# KiCad board IotThermalCamera.kicad_pcb (continued)
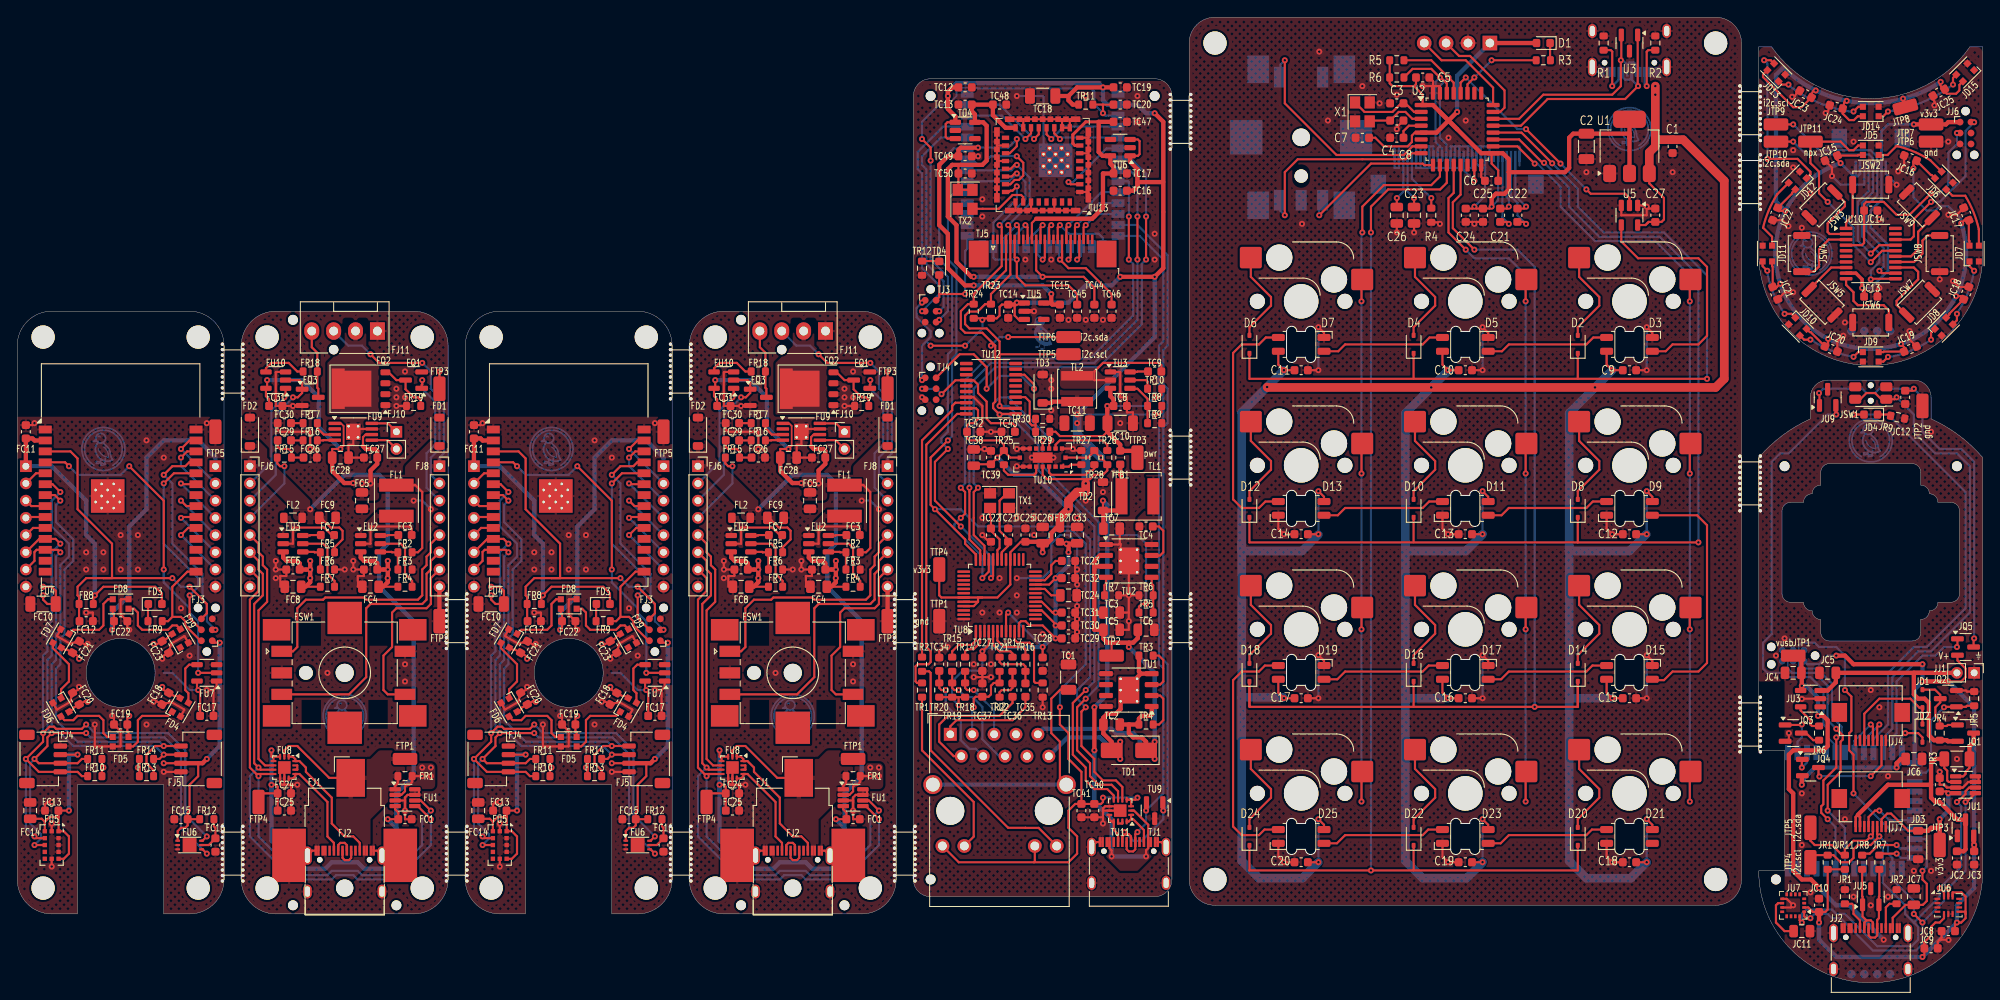
[diagram p0: board, top side]
## Placement (name value [footprint] x y rotation side) (continued)
JD13  btns.npx_js.led[0].device  [LED_WS2812B-2020_PLCC4_2.0x2.0mm]  204.14 105.74 135 top
JD14  btns.npx_js.led[1].device  [LED_WS2812B-2020_PLCC4_2.0x2.0mm]  215.1 101.2 180 top
JD15  btns.npx_js.led[2].device  [LED_WS2812B-2020_PLCC4_2.0x2.0mm]  226.06 105.74 225 top
JH1  jlc_th.th1  [JlcToolingHole_1.152mm]  205.1 60 0 top
JH2  jlc_th.th2  [JlcToolingHole_1.152mm]  225.1 60 0 top
JH3  jlc_th.th3  [JlcToolingHole_1.152mm]  204.1 12 0 top
JJ1  bat  [PinHeader_1x02_P2.00mm_Vertical]  227.1 36 270 top
JJ2  usb.conn  [USB_C_Receptacle_XKB_U262-16XN-4BVC11]  215.1 2.68 0 top
JJ3  mcu.swd  [Tag-Connect_TC2030-IDC-NL_2x03_P1.27mm_Vertical]  206.1 38 180 bottom
JJ4  stick  [Hirose_FH12-8S-0.5SH_1x08-1MP_P0.50mm_Horizontal]  215.1 30 180 top
JJ6  btns.ioe.sdi  [Tag-Connect_TC2030-IDC-NL_2x03_P1.27mm_Vertical]  226.1 98.7 270 top
JJ7  btns  [Hirose_FH12-8S-0.5SH_1x08-1MP_P0.50mm_Horizontal]  215.1 20 180 top
JJ8  btns.conn  [Hirose_FH12-8S-0.5SH_1x08-1MP_P0.50mm_Horizontal]  215.1 96.7 0 bottom
JQ1  gate.pwr_fet  [SOT-23]  226.1 29 0 top
JQ2  gate.amp_fet  [SOT-23]  224.1 33 180 top
JQ3  chg.prog_sw  [SOT-23]  206.1 29 0 top
JQ4  stick_gate  [SOT-23]  208.1 25 0 top
JQ5  trig_gate  [SOT-23]  226.1 39 0 top
JR1  usb.cc_pull.cc1  [R_0603_1608Metric]  212.1 10 270 top
JR2  usb.cc_pull.cc2  [R_0603_1608Metric]  218.1 10 270 top
JR3  vbat_sense.Rs  [R_1206_3216Metric]  225.1 26 180 top
JR4  gate.pull_res  [R_0603_1608Metric]  223.1 29 90 top
JR5  gate.amp_res  [R_0603_1608Metric]  227.1 33 270 top
JR6  chg.prog_res  [R_0603_1608Metric]  209.1 29 90 top
JR7  mcu.usb_res.dp  [R_0603_1608Metric]  216.1 14 90 top
JR8  mcu.usb_res.dm  [R_0603_1608Metric]  214.1 14 90 top
JR9  ledr.res  [R_0603_1608Metric]  218.22 65.69 348.8 top
JR10  i2c_pull.scl_res  [R_0603_1608Metric]  210.1 14 90 top
JR11  i2c_pull.sda_res  [R_0603_1608Metric]  212.1 14 90 top
JSW1  bumper_sw  [SW_SPST_EVQP7C]  215.1 68.5 180 top
JSW2  btns.sw[0]  [SW_Push_SPST_NO_Alps_SKRK]  215.1 92.7 0 top
JSW3  btns.sw[1]  [SW_Push_SPST_NO_Alps_SKRK]  209.44 90.36 225 top
JSW4  btns.sw[2]  [SW_Push_SPST_NO_Alps_SKRK]  207.1 84.7 90 top
JSW5  btns.sw[3]  [SW_Push_SPST_NO_Alps_SKRK]  209.44 79.04 315 top
JSW6  btns.sw[4]  [SW_Push_SPST_NO_Alps_SKRK]  215.1 76.7 180 top
JSW7  btns.sw[5]  [SW_Push_SPST_NO_Alps_SKRK]  220.76 79.04 45 top
JSW8  btns.sw[6]  [SW_Push_SPST_NO_Alps_SKRK]  223.1 84.7 270 top
JSW9  btns.sw[7]  [SW_Push_SPST_NO_Alps_SKRK]  220.76 90.36 135 top
JTP1  vusb  [TestPoint_TE_RCT_0805]  206.1 38 180 top
JTP2  gnd  [TestPoint_TE_RCT_0805]  221.1 67 90 top
JTP3  v3v3  [TestPoint_TE_RCT_0805]  223.1 16 270 top
JTP4  i2c.scl  [TestPoint_TE_RCT_0805]  208.1 14 90 top
JTP5  i2c.sda  [TestPoint_TE_RCT_0805]  208.1 18 90 top
JTP6  gnd  [TestPoint_TE_RCT_0805]  222.1 97.7 0 top
JTP7  v3v3  [TestPoint_TE_RCT_0805]  222.1 99.7 0 top
JTP8  vbat  [TestPoint_TE_RCT_0805]  219.11 101.73 195 top
JTP9  i2c.scl  [TestPoint_TE_RCT_0805]  204.1 99.7 0 top
JTP10  i2c.sda  [TestPoint_TE_RCT_0805]  204.1 97.7 0 top
JTP11  npx  [TestPoint_TE_RCT_0805]  208.1 97.7 0 top
JU1  vbat_sense.ic  [SOT-23-8]  226.1 23 0 top
JU2  reg_3v3.ic  [SOT-23]  226.1 18 90 top
JU3  chg.ic  [SOT-23-5]  208.1 33 180 top
JU4  mcu.ic  [Holyiot-18010-NRF52840]  212.1 20 270 bottom
JU5  usb_esd  [SOT-23]  215.1 10 90 top
JU6  imu.ic  [Bosch_LGA-14_3x2.5mm_P0.5mm]  224.1 9 0 top
JU7  mag.ic  [LGA-16_3x3mm_P0.5mm]  206.1 9 180 top
JU9  trig.ic  [SOT-23]  210.1 68 90 top
JU10  btns.ioe.ic  [TSSOP-20_4.4x6.5mm_P0.65mm]  215.1 84.7 0 top
R1  usb.cc_pull.cc1  [R_0603_1608Metric]  184.1 109.15 270 top
R2  usb.cc_pull.cc2  [R_0603_1608Metric]  190.1 109.15 270 top
R3  ledr.res  [R_0603_1608Metric]  177.1 107.15 180 top
R4  oled.iref_res  [R_0603_1608Metric]  164.1 89.15 90 top
R5  i2c_pull.scl_res  [R_0603_1608Metric]  160.1 107.15 0 top
R6  i2c_pull.sda_res  [R_0603_1608Metric]  160.1 105.15 0 top
REF**  MouseBites  [MouseBites_Recessed]  201.1 93 90 top
REF**#2  MouseBites  [MouseBites_Recessed]  201.1 58 90 top
REF**#3  MouseBites  [MouseBites_Recessed]  51 42 270 top
REF**#4  MouseBites  [MouseBites_Recessed]  77 71 90 top
REF**#5  MouseBites  [MouseBites_Recessed]  25 15 90 top
REF**#6  MouseBites  [MouseBites_Recessed]  135 42 90 top
REF**#7  MouseBites  [MouseBites_Recessed]  135 100 90 top
REF**#8  MouseBites  [MouseBites_Recessed]  25 71 90 top
REF**#9  MouseBites  [MouseBites_Recessed]  77 15 90 top
REF**#10  MouseBites  [MouseBites_Recessed]  135 61 90 top
REF**#11  MouseBites  [MouseBites_Recessed]  103 42 90 top
REF**#12  MouseBites  [MouseBites_Recessed]  103 15 90 top
REF**#13  MouseBites  [MouseBites_Recessed]  51 15 90 top
REF**#14  MouseBites  [MouseBites_Recessed]  201.1 30 90 top
REF**#15  MouseBites  [MouseBites_Recessed]  201.1 101 90 top
REF**#16  -  [MountingHole_2.7mm_M2.5]  139 12 180 bottom
REF**#17  -  [Indicator_IdDots_4]  215.1 1 180 bottom
REF**#18  -  [MountingHole_2.7mm_M2.5]  197.1 109.15 180 bottom
REF**#19  -  [Indicator_IdDots_4]  215.1 75.7 180 bottom
REF**#20  -  [MountingHole_2.7mm_M2.5]  197.1 12 90 bottom
REF**#21  -  [MountingHole_2.7mm_M2.5]  139 109.15 270 bottom
SW1  sw.sw[0,0].sw  [SW_Hotswap_Kailh_MX]  187.1 79.15 180 bottom
SW2  sw.sw[1,0].sw  [SW_Hotswap_Kailh_MX]  168.05 79.15 180 bottom
SW3  sw.sw[2,0].sw  [SW_Hotswap_Kailh_MX]  149 79.15 180 bottom
SW4  sw.sw[0,1].sw  [SW_Hotswap_Kailh_MX]  187.1 60.1 180 bottom
SW5  sw.sw[1,1].sw  [SW_Hotswap_Kailh_MX]  168.05 60.1 180 bottom
SW6  sw.sw[2,1].sw  [SW_Hotswap_Kailh_MX]  149 60.1 180 bottom
SW7  sw.sw[0,2].sw  [SW_Hotswap_Kailh_MX]  187.1 41.05 180 bottom
SW8  sw.sw[1,2].sw  [SW_Hotswap_Kailh_MX]  168.05 41.05 180 bottom
SW9  sw.sw[2,2].sw  [SW_Hotswap_Kailh_MX]  149 41.05 180 bottom
SW10  sw.sw[0,3].sw  [SW_Hotswap_Kailh_MX]  187.1 22 180 bottom
SW11  sw.sw[1,3].sw  [SW_Hotswap_Kailh_MX]  168.05 22 180 bottom
SW12  sw.sw[2,3].sw  [SW_Hotswap_Kailh_MX]  149 22 180 bottom
SW13  enc  [RotaryEncoder_Bourns_PEC11S]  149 98.2 90 bottom
TC1  eth.cap  [C_1206_3216Metric]  122 35.5 90 top
TC2  poe.vdd_cap  [C_0805_2012Metric]  127 30 180 top
TC3  reg_poe.hf_cap  [C_0805_2012Metric]  127 43 0 top
TC4  reg_poe.boot_cap  [C_0603_1608Metric]  131 53 180 top
TC5  reg_poe.power_path.in_cap.c[0]  [C_0805_2012Metric]  127 41 0 top
TC6  reg_poe.power_path.in_cap.c[1]  [C_0805_2012Metric]  131 41 0 top
TC7  reg_poe.power_path.out_cap  [C_0805_2012Metric]  127 52.75 0 top
TC8  reg_3v3.hf_in_cap  [C_0603_1608Metric]  128 67 0 top
TC9  reg_3v3.boot_cap  [C_0603_1608Metric]  132 71 0 top
TC10  reg_3v3.power_path.in_cap  [C_1206_3216Metric]  128 65 0 top
TC11  reg_3v3.power_path.out_cap  [C_1206_3216Metric]  123 65 180 top
TC12  reg_3v0.in_cap  [C_0603_1608Metric]  110 104 0 top
TC13  reg_3v0.out_cap  [C_0603_1608Metric]  110 102 180 top
TC14  reg_2v8.in_cap  [C_0603_1608Metric]  115 78 270 top
TC15  reg_2v8.out_cap  [C_0603_1608Metric]  121 78 270 top
TC16  reg_1v2.in_cap  [C_0603_1608Metric]  128 92 180 top
TC17  reg_1v2.out_cap  [C_0603_1608Metric]  128 94 0 top
TC18  mcu.vcc_cap0  [C_1206_3216Metric]  119 103 180 top
TC19  mcu.vcc_cap1  [C_0603_1608Metric]  128 104 0 top
TC20  mcu.en_pull.c  [C_0603_1608Metric]  128 102 0 top
TC21  phy.crystal.cap_a  [C_0603_1608Metric]  115 52 90 top
TC22  phy.crystal.cap_b  [C_0603_1608Metric]  113 52 270 top
TC23  phy.c1v20  [C_0603_1608Metric]  122 49 0 top
TC24  phy.tocap  [C_0805_2012Metric]  122 45 0 top
TC25  phy.vdd_cap0  [C_0603_1608Metric]  117 52 90 top
TC26  phy.vdd_cap1  [C_0805_2012Metric]  119 52 90 top
TC27  phy.avdd_caps[0]  [C_0603_1608Metric]  112 37 270 top
TC28  phy.avdd_caps[1]  [C_0603_1608Metric]  119 37 270 top
TC29  phy.avdd_caps[2]  [C_0603_1608Metric]  122 40 0 top
TC30  phy.avdd_caps[3]  [C_0603_1608Metric]  122 41.5 0 top
TC31  phy.avdd_caps[4]  [C_0603_1608Metric]  122 43 0 top
TC32  phy.avdd_caps[5]  [C_0603_1608Metric]  122 47 0 top
TC33  phy.avdd_caps[6]  [C_0805_2012Metric]  123 52 90 top
TC34  phy.txc_cap  [C_0603_1608Metric]  107 37 90 top
TC35  phy.rxp_ac  [C_0603_1608Metric]  117 34 90 top
TC36  phy.rxn_ac  [C_0603_1608Metric]  115.5 34 90 top
TC37  phy.rxc_cap  [C_0603_1608Metric]  112 34 90 top
TC38  dist.avdd_cap  [C_0805_2012Metric]  111 61 90 top
TC39  dist.iovdd_cap  [C_0603_1608Metric]  113 61 90 top
TC40  pd.vdd_cap[0]  [C_0603_1608Metric]  125 20 270 top
TC41  pd.vdd_cap[1]  [C_0603_1608Metric]  123.5 20 270 top
TC42  ioe.vdd_cap  [C_0603_1608Metric]  111 64 0 top
TC43  ioe.reset_cap  [C_0603_1608Metric]  115 64 180 top
TC44  cam.dovdd_cap  [C_0603_1608Metric]  125 78 270 top
TC45  cam.reset_cap  [C_0603_1608Metric]  123 78 270 top
TC46  cam.pclk_cap  [C_0603_1608Metric]  127 78 270 top
TC47  flir.vddc_cap  [C_0603_1608Metric]  128 100 0 top
TC48  flir.vddio_cap  [C_0603_1608Metric]  114 102 0 top
TC49  flir.vdd_cap  [C_0603_1608Metric]  110 96 0 top
TC50  flir.mclk.cap  [C_0603_1608Metric]  110 94 0 top
TD1  poe.prot  [D_SMA]  129 27 180 top
TD2  prot_v5  [D_SOD-123]  126 56.5 90 top
TD3  prot_3v3  [D_SOD-123]  119 69 90 top
TD4  ledr.package  [LED_0603_1608Metric]  107 83 270 top
TFB1  choke  [L_0603_1608Metric]  128 61 90 top
TFB2  phy.l  [L_0603_1608Metric]  121 52 270 top
TH1  jlc_th.th1  [JlcToolingHole_1.152mm]  106 103 0 top
TH2  jlc_th.th2  [JlcToolingHole_1.152mm]  132 103 0 top
TH3  jlc_th.th3  [JlcToolingHole_1.152mm]  106 12 0 top
TJ1  usb  [USB_C_Receptacle_XKB_U262-16XN-4BVC11]  129 12.68 0 top
TJ2  eth.conn  [RJ45_Wuerth_7499111446_Horizontal]  108.28 28.86 0 top
TJ3  mcu.prog  [Tag-Connect_TC2030-IDC-NL_2x03_P1.27mm_Vertical]  106 78 270 top
TJ4  ioe.sdi  [Tag-Connect_TC2030-IDC-NL_2x03_P1.27mm_Vertical]  106 69 270 top
TJ5  cam.device  [TE_2-1734839-4_1x24-1MP_P0.5mm_Horizontal]  119 85 0 top
TJP1  poe_jmp.pos  [SolderJumper-2_P1.3mm_Open_TrianglePad1.0x1.5mm]  131 27 0 bottom
TJP2  poe_jmp.neg  [SolderJumper-2_P1.3mm_Open_TrianglePad1.0x1.5mm]  127 27 0 bottom
TL1  reg_poe.power_path.inductor  [L_Sunlord_SWPA5040S]  130 56.5 180 top
TL2  reg_3v3.power_path.inductor  [L_Sunlord_SWPA4030S]  123 69 270 top
TR1  eth.led_yel_res  [R_0603_1608Metric]  105 34 90 top
TR2  eth.led_grn_res  [R_0603_1608Metric]  105 37 90 top
TR3  poe.cls  [R_0603_1608Metric]  131 38 0 top
TR4  poe.den  [R_0603_1608Metric]  131 30 0 top
TR5  reg_poe.fb.top_res  [R_0603_1608Metric]  131 43 0 top
TR6  reg_poe.fb.bottom_res  [R_0603_1608Metric]  131 45 180 top
TR7  reg_poe.rt  [R_0603_1608Metric]  127 45 180 top
TR8  reg_3v3.fb.top_res  [R_0603_1608Metric]  132 67 180 top
TR9  reg_3v3.fb.bottom_res  [R_0603_1608Metric]  132 65 0 top
TR10  reg_3v3.en_res  [R_0603_1608Metric]  132 69 180 top
TR11  mcu.en_pull.r  [R_0603_1608Metric]  124 102 0 top
TR12  ledr.res  [R_0603_1608Metric]  105 83 270 top
TR13  phy.exres1  [R_0603_1608Metric]  119 34 90 top
TR14  phy.txp_damp  [R_0603_1608Metric]  110 37 270 top
TR15  phy.txn_damp  [R_0603_1608Metric]  108.5 37 270 top
TR16  phy.rxp_damp  [R_0603_1608Metric]  117 37 270 top
TR17  phy.rxn_damp  [R_0603_1608Metric]  115.5 37 270 top
TR18  phy.txp_bias  [R_0603_1608Metric]  110 34 90 top
TR19  phy.txn_bias  [R_0603_1608Metric]  108.5 34 90 top
TR20  phy.txc_bias  [R_0603_1608Metric]  107 34 90 top
TR21  phy.rxp_bias  [R_0603_1608Metric]  114 37 270 top
TR22  phy.rxn_bias  [R_0603_1608Metric]  114 34 90 top
TR23  i2c_pull.scl_res  [R_0603_1608Metric]  113 78 90 top
TR24  i2c_pull.sda_res  [R_0603_1608Metric]  111 78 90 top
TR25  dist.lpn_pull  [R_0603_1608Metric]  114.5 61 270 top
TR26  dist.rsvd6_pull  [R_0603_1608Metric]  126.5 61 90 top
TR27  dist.i2c_rst_pull  [R_0603_1608Metric]  123.5 61 270 top
TR28  dist.int_pull  [R_0603_1608Metric]  125 61 270 top
TR29  poe_sense.top_res  [R_0603_1608Metric]  119 64 180 top
TR30  poe_sense.bottom_res  [R_0603_1608Metric]  119 65.5 0 top
TTP1  gnd  [TestPoint_TE_RCT_0805]  107 42 90 top
TTP2  _poe_pwr_out_link  [TestPoint_TE_RCT_0805]  127 38 0 top
TTP3  pwr  [TestPoint_TE_RCT_0805]  130 61 270 top
TTP4  v3v3  [TestPoint_TE_RCT_0805]  107 48 270 top
TTP5  i2c.scl  [TestPoint_TE_RCT_0805]  122 73 180 top
TTP6  i2c.sda  [TestPoint_TE_RCT_0805]  122 75 180 top
TU1  poe.ic  [HSOP-8-1EP_3.9x4.9mm_P1.27mm_EP2.41x3.1mm_ThermalVias]  129 34 180 top
TU2  reg_poe.ic  [HSOP-8-1EP_3.9x4.9mm_P1.27mm_EP2.41x3.1mm_ThermalVias]  129 49 0 top
TU3  reg_3v3.ic  [SOT-23-6]  128 70 0 top
TU4  reg_3v0.ic  [SOT-23-5]  110 99 0 top
TU5  reg_2v8.ic  [SOT-23-5]  118 78 0 top
TU6  reg_1v2.ic  [SOT-23-5]  128 97 180 top
TU7  -  [Symbol_DucklingSolid]  119 75.5 180 bottom
TU7#2  mcu.ic  [ESP32-S3-WROOM-1#2]  119 98 180 bottom
TU8  phy.ic  [LQFP-48_7x7mm_P0.5mm]  114 45 90 top
TU9  usb_esd  [SOT-23]  132 20 270 top
TU10  dist.ic  [ST_VL53L5x]  119 61 180 top
TU11  pd.ic  [WQFN-14-1EP_2.5x2.5mm_P0.5mm_EP1.45x1.45mm]  128 20 180 top
TU12  ioe.ic  [TSSOP-20_4.4x6.5mm_P0.65mm]  113 69 0 top
TU13  flir.ic  [Molex_1050281001]  119 95 180 top
TX1  phy.crystal.package  [Crystal_SMD_3225-4Pin_3.2x2.5mm]  114 56 180 top
TX2  flir.mclk.device  [Crystal_SMD_3225-4Pin_3.2x2.5mm]  110 91 270 top
U1  reg.ic  [SOT-223-3_TabPin2]  187.1 97.15 90 top
U2  mcu.ic  [LQFP-32_7x7mm_P0.8mm]  167.1 99.15 0 top
U3  usb_esd  [SOT-23]  187.1 109.15 270 top
U4  oled.lcd  [Lcd_Er_Oled0.96_1.1_Outline]  167.1 99.15 180 bottom
U5  npx_shift.ic  [SOT-23-5]  187.1 89.15 270 top
UU4  Duck  [Symbol_Duckling]  38 31 180 bottom
UU4#2  Duck  [Symbol_Duckling]  90 31 180 bottom
X1  mcu.crystal.package  [Crystal_SMD_3225-4Pin_3.2x2.5mm]  156.1 101.15 270 top

## Library data of the parts
C1 = -: edg_part: CC0603KRX7R9BB104 (YAGEO); edg_path: reg.in_cap.cap; edg_refdes: C1
C3 = -: edg_part: CL10C330JB8NNNC (Samsung Electro-Mechanics); edg_refdes: C9
C4 = -: edg_part: CL10C330JB8NNNC (Samsung Electro-Mechanics); edg_refdes: C10
FC2 FC2#2 = -: edg_part: CC0603KRX7R9BB104 (YAGEO); edg_path: reg_5v.hf_in_cap.cap; edg_refdes: FC1
FC3 FC3#2 = -: edg_part: CC0603KRX7R9BB104 (YAGEO); edg_refdes: FC2
FH1 FH1#2 = -: edg_refdes: FH1
FH2 FH2#2 = -: edg_refdes: FH2
FH3 FH3#2 = -: edg_refdes: FH3
FJ1 FJ1#2 = -: edg_part: PJ-036AH-SMT (CUI Devices); edg_refdes: FJ1
FR2 FR2#2 = -: edg_part: 0603WAF6801T5E (UNI-ROYAL(Uniroyal Elec)); edg_path: reg_5v.fb.div.top_res; edg_refdes: FR1
FR3 FR3#2 = -: edg_part: 0603WAF1201T5E (UNI-ROYAL(Uniroyal Elec)); edg_path: reg_5v.fb.div.bottom_res; edg_refdes: FR2
FR4 FR4#2 = -: edg_part: 0603WAF5103T5E (UNI-ROYAL(Uniroyal Elec)); edg_refdes: FR3
FTP2 FTP2#2 = -: edg_part: 5015 (Keystone); edg_path: tp_gnd.tp; edg_refdes: FTP2; edg_short_path: tp_gnd
FTP3 FTP3#2 = -: edg_part: 5015 (Keystone); edg_path: tp_5v.tp; edg_refdes: FTP3; edg_short_path: tp_5v
FTP4 FTP4#2 = -: edg_part: 5015 (Keystone); edg_path: tp_3v3.tp; edg_refdes: FTP4; edg_short_path: tp_3v3
FU2 FU2#2 = -: edg_part: TPS54202H (Texas Instruments); edg_refdes: FU1
J1 = -: edg_part: COM-15111 (Sparkfun); edg_refdes: J1
R1 = -: edg_part: 0603WAF5101T5E (UNI-ROYAL(Uniroyal Elec)); edg_path: usb.cc_pull.cc1.res; edg_refdes: R1
R2 = -: edg_part: 0603WAF5101T5E (UNI-ROYAL(Uniroyal Elec)); edg_path: usb.cc_pull.cc2.res; edg_refdes: R2
TC8 = -: edg_part: CC0603KRX7R9BB104 (YAGEO); edg_path: reg_v5.hf_in_cap.cap; edg_refdes: C2; edg_short_path: reg_v5.hf_in_cap
TC9 = -: edg_part: CC0603KRX7R9BB104 (YAGEO); edg_path: reg_v5.boot_cap; edg_refdes: C3; edg_short_path: reg_v5.boot_cap
TC18 = -: edg_part: CL31A226KPHNNNE (Samsung Electro-Mechanics); edg_path: mcu.vcc_cap0.cap; edg_refdes: IC8
TC19 = -: edg_part: CC0603KRX7R9BB104 (YAGEO); edg_path: mcu.vcc_cap1.cap; edg_refdes: IC9
TC20 = -: edg_part: CL10A105KB8NNNC (Samsung Electro-Mechanics); edg_path: mcu.en_pull.rc.c; edg_refdes: IC10
TD4 = -: edg_part: KT-0603R (Hubei KENTO Elec); edg_refdes: ID2
TR8 = -: edg_part: 0603WAF1102T5E (UNI-ROYAL(Uniroyal Elec)); edg_path: reg_v5.fb.div.top_res; edg_refdes: R1; edg_short_path: reg_v5.fb.top_res
TR9 = -: edg_part: 0603WAF1501T5E (UNI-ROYAL(Uniroyal Elec)); edg_path: reg_v5.fb.div.bottom_res; edg_refdes: R2; edg_short_path: reg_v5.fb.bottom_res
TR10 = -: edg_part: 0603WAF5103T5E (UNI-ROYAL(Uniroyal Elec)); edg_path: reg_v5.en_res; edg_refdes: R3; edg_short_path: reg_v5.en_res
TR11 = -: edg_part: 0603WAF1002T5E (UNI-ROYAL(Uniroyal Elec)); edg_path: mcu.en_pull.rc.r; edg_refdes: IR4
TR12 = -: edg_part: 0603WAF1001T5E (UNI-ROYAL(Uniroyal Elec)); edg_refdes: IR10
TR23 = -: edg_part: 0603WAF4701T5E (UNI-ROYAL(Uniroyal Elec)); edg_path: i2c_pull.scl_res.res; edg_refdes: IR5
TR24 = -: edg_part: 0603WAF4701T5E (UNI-ROYAL(Uniroyal Elec)); edg_path: i2c_pull.sda_res.res; edg_refdes: IR6
TTP1 = -: edg_part: 5015 (Keystone); edg_path: tp_gnd.tp; edg_refdes: ITP2; edg_short_path: tp_gnd
TTP3 = -: edg_part: 5015 (Keystone); edg_path: tp_pwr.tp; edg_refdes: ITP1; edg_short_path: tp_pwr
TTP4 = -: edg_part: 5015 (Keystone); edg_path: tp_3v3.tp; edg_refdes: ITP3; edg_short_path: tp_3v3
TU3 = -: edg_part: TPS54202H (Texas Instruments); edg_path: reg_v5.ic; edg_refdes: U1; edg_short_path: reg_v5.ic
TU7#2 = -: edg_part: ESP32-S3-WROOM-1-N16R8 (Espressif Systems); edg_refdes: IU3
UU4 UU4#2 = -: edg_path: duck; edg_refdes: UU4; edg_short_path: duck
X1 = -: edg_part: X322512MSB4SI (Yangxing Tech); edg_refdes: X1

## Footprints (pads in the part's own frame, mm; a bottom-side part is the same pattern mirrored in y, then rotated)
BarrelJack_CUI_PJ-036AH-SMT_Horizontal
  round 2 hole 2 unplated: (0,-7)
  rect 3.3x4.4 smd: 1(0.7,5.8)
  rect 3.9x6.2 smd: 2(-6.45,-3.2) 3(6.45,-3.2)
Bosch_LGA-14_3x2.5mm_P0.5mm
  rect 0.675x0.25 smd: 1(-1.262,0.75) 2(-1.262,0.25) 3(-1.262,-0.25) 4(-1.262,-0.75) 8(1.262,-0.75) 9(1.262,-0.25) 10(1.262,0.25) 11(1.262,0.75)
  rect 0.25x0.675 smd: 5(-0.5,-1.012) 6(0,-1.012) 7(0.5,-1.012) 12(0.5,1.012) 13(0,1.012) 14(-0.5,1.012)
C_0603_1608Metric
  rrect 0.9x0.95 smd: 1(-0.775,0) 2(0.775,0)
C_0805_2012Metric
  rrect 1x1.45 smd: 1(-0.95,0) 2(0.95,0)
C_1206_3216Metric
  rrect 1.15x1.8 smd: 1(-1.475,0) 2(1.475,0)
Crystal_SMD_3225-4Pin_3.2x2.5mm
  rect 1.4x1.2 smd: 1(-1.1,-0.85) 2(1.1,-0.85) 3(1.1,0.85) 4(-1.1,0.85)
D_SMA
  rrect 2.5x1.8 smd: 1(-2,0) 2(2,0)
D_SOD-123
  rrect 0.9x1.2 smd: 1(-1.65,0) 2(1.65,0)
D_SOD-323
  rrect 0.6x0.45 smd: 1(-1.05,0) 2(1.05,0)
ESP32-S3-WROOM-1
  rect 0.9x0.9 smd: (-2.9,-1.06) (-2.9,-2.46) (-2.9,-3.86) (-1.5,-1.06) (-1.5,-2.46) (-1.5,-3.86) (-0.1,-1.06) (-0.1,-2.46) (-0.1,-3.86)
  rect 1.5x0.9 smd: 1(-8.75,5.26) 2(-8.75,3.99) 3(-8.75,2.72) 4(-8.75,1.45) 5(-8.75,0.18) 6(-8.75,-1.09) 7(-8.75,-2.36) 8(-8.75,-3.63) 9(-8.75,-4.9) 10(-8.75,-6.17) 11(-8.75,-7.44) 12(-8.75,-8.71) 13(-8.75,-9.98) 14(-8.75,-11.25) 27(8.75,-11.25) 28(8.75,-9.98) 29(8.75,-8.71) 30(8.75,-7.44) 31(8.75,-6.17) 32(8.75,-4.9) 33(8.75,-3.63) 34(8.75,-2.36) 35(8.75,-1.09) 36(8.75,0.18) 37(8.75,1.45) 38(8.75,2.72) 39(8.75,3.99) 40(8.75,5.26)
  round 0.6 hole 0.3: 41(-2.9,-1.76) 41(-2.9,-3.16) 41(-2.2,-1.06) 41(-2.2,-2.46) 41(-2.2,-3.86) 41(-1.5,-1.76) 41(-1.5,-3.16) 41(-0.8,-1.06) 41(-0.8,-2.46) 41(-0.8,-3.86) 41(-0.1,-1.76) 41(-0.1,-3.16)
  rect 3.9x3.9 smd: 41(-1.5,-2.46)
ESP32-S3-WROOM-1#2
  rect 0.9x0.9 smd: (-2.9,-3.86) (-2.9,-2.46) (-2.9,-1.06) (-1.5,-3.86) (-1.5,-2.46) (-1.5,-1.06) (-0.1,-3.86) (-0.1,-2.46) (-0.1,-1.06)
  rect 1.5x0.9 smd: 1(-8.75,5.26) 2(-8.75,3.99) 3(-8.75,2.72) 4(-8.75,1.45) 5(-8.75,0.18) 6(-8.75,-1.09) 7(-8.75,-2.36) 8(-8.75,-3.63) 9(-8.75,-4.9) 10(-8.75,-6.17) 11(-8.75,-7.44) 12(-8.75,-8.71) 13(-8.75,-9.98) 14(-8.75,-11.25) 27(8.75,-11.25) 28(8.75,-9.98) 29(8.75,-8.71) 30(8.75,-7.44) 31(8.75,-6.17) 32(8.75,-4.9) 33(8.75,-3.63) 34(8.75,-2.36) 35(8.75,-1.09) 36(8.75,0.18) 37(8.75,1.45) 38(8.75,2.72) 39(8.75,3.99) 40(8.75,5.26)
  rect 0.9x1.5 smd: 15(-6.985,-12.5) 16(-5.715,-12.5) 17(-4.445,-12.5) 18(-3.175,-12.5) 19(-1.905,-12.5) 20(-0.635,-12.5) 21(0.635,-12.5) 22(1.905,-12.5) 23(3.175,-12.5) 24(4.445,-12.5) 25(5.715,-12.5) 26(6.985,-12.5)
  round 0.6 hole 0.3: 41(-2.9,-3.16) 41(-2.9,-1.76) 41(-2.2,-3.86) 41(-2.2,-2.46) 41(-2.2,-1.06) 41(-1.5,-3.16) 41(-1.5,-1.76) 41(-0.8,-3.86) 41(-0.8,-2.46) 41(-0.8,-1.06) 41(-0.1,-3.16) 41(-0.1,-1.76)
  rect 3.9x3.9 smd: 41(-1.5,-2.46)
FanPinHeader_1x04_P2.54mm_Vertical
  round 1.1 hole 1.1 unplated: (5.08,2.16)
  rect 1.73x2.03 hole 1.02: 1(0,0)
  oval 1.73x2.03 hole 1.02: 2(2.54,0) 3(5.08,0) 4(7.62,0)
Hirose_FH12-8S-0.5SH_1x08-1MP_P0.50mm_Horizontal
  rect 0.3x1.3 smd: 1(-1.75,1.85) 2(-1.25,1.85) 3(-0.75,1.85) 4(-0.25,1.85) 5(0.25,1.85) 6(0.75,1.85) 7(1.25,1.85) 8(1.75,1.85)
  rect 1.8x2.2 smd: MP(-3.65,-1.4) MP(3.65,-1.4)
Hirose_FH12-30S-0.5SH_1x30-1MP_P0.50mm_Horizontal
  rect 0.3x1.3 smd: 1(-7.25,1.85) 2(-6.75,1.85) 3(-6.25,1.85) 4(-5.75,1.85) 5(-5.25,1.85) 6(-4.75,1.85) 7(-4.25,1.85) 8(-3.75,1.85) 9(-3.25,1.85) 10(-2.75,1.85) 11(-2.25,1.85) 12(-1.75,1.85) 13(-1.25,1.85) 14(-0.75,1.85) 15(-0.25,1.85) 16(0.25,1.85) 17(0.75,1.85) 18(1.25,1.85) 19(1.75,1.85) 20(2.25,1.85) 21(2.75,1.85) 22(3.25,1.85) 23(3.75,1.85) 24(4.25,1.85) 25(4.75,1.85) 26(5.25,1.85) 27(5.75,1.85) 28(6.25,1.85) 29(6.75,1.85) 30(7.25,1.85)
  rect 1.8x2.2 smd: MP(-9.15,-1.4) MP(9.15,-1.4)
Holyiot-18010-NRF52840
  rect 1.8x0.7 smd: 1(-6.75,6.6) 2(-6.75,5.5) 3(-6.75,4.4) 4(-6.75,3.3) 5(-6.75,2.2) 6(-6.75,1.1) 7(-6.75,0) 8(-6.75,-1.1) 9(-6.75,-2.2) 10(-6.75,-3.3) 11(-6.75,-4.4) 12(-6.75,-5.5) 13(-6.75,-6.6) 25(6.75,-6.6) 26(6.75,-5.5) 27(6.75,-4.4) 28(6.75,-3.3) 29(6.75,-2.2) 30(6.75,-1.1) 31(6.75,0) 32(6.75,1.1) 33(6.75,2.2) 34(6.75,3.3) 35(6.75,4.4) 36(6.75,5.5) 37(6.75,6.6)
  rect 0.7x1.8 smd: 14(-5.5,-8.1) 15(-4.4,-8.1) 16(-3.3,-8.1) 17(-2.2,-8.1) 18(-1.1,-8.1) 19(0,-8.1) 20(1.1,-8.1) 21(2.2,-8.1) 22(3.3,-8.1) 23(4.4,-8.1) 24(5.5,-8.1)
HSOP-8-1EP_3.9x4.9mm_P1.27mm_EP2.41x3.1mm_ThermalVias
  rrect 0.97x1.25 smd: (-0.6,0.775) (-0.6,-0.775) (0.6,0.775) (0.6,-0.775)
  rrect 1.6x0.6 smd: 1(-2.65,1.905) 2(-2.65,0.635) 3(-2.65,-0.635) 4(-2.65,-1.905) 5(2.65,-1.905) 6(2.65,-0.635) 7(2.65,0.635) 8(2.65,1.905)
  round 0.5 hole 0.3: 9(-0.955,1.3) 9(-0.955,0) 9(-0.955,-1.3) 9(0.955,1.3) 9(0.955,0) 9(0.955,-1.3)
  rect 2.41x3.1 smd: 9(0,0)
  rect 2.41x3.1 smd far side: 9(0,0)
HVSOF6
  rrect 0.55x0.25 smd: 1(-1.38,0.5) 2(-1.38,0) 3(-1.38,-0.5) 4(1.38,-0.5) 5(1.38,0) 6(1.38,0.5)
  rect 1.6x1.6 smd: 7(0,0)
JlcToolingHole_1.152mm
  round 1.152 hole 1.152 unplated: (0,0)
JST_SH_SM04B-SRSS-TB_1x04-1MP_P1.00mm_Horizontal
  rrect 0.6x1.55 smd: 1(-1.5,2) 2(-0.5,2) 3(0.5,2) 4(1.5,2)
  rrect 1.2x1.8 smd: MP(-2.8,-1.875) MP(2.8,-1.875)
L_0603_1608Metric
  rrect 0.875x0.95 smd: 1(-0.787,0) 2(0.787,0)
L_0805_2012Metric
  rrect 0.875x1.2 smd: 1(-1.062,0) 2(1.062,0)
L_Sunlord_SWPA4030S
  rect 1.1x3.7 smd: 1(-1.5,0) 2(1.5,0)
L_Sunlord_SWPA5040S
  rect 1.4x4.2 smd: 1(-1.85,0) 2(1.85,0)
L_Taiyo-Yuden_NR-50xx
  rect 1.5x4 smd: 1(-1.8,0) 2(1.8,0)
LED_0603_1608Metric
  rrect 0.875x0.95 smd: 1(-0.787,0) 2(0.787,0)
LED_SK6812MINI-E
  rrect 1.5x0.82 smd far side: 1(-2.65,0.8) 2(-2.65,-0.8) 3(2.65,-0.8) 4(2.65,0.8)
LED_WS2812B-2020_PLCC4_2.0x2.0mm
  rect 0.7x0.7 smd: 1(-0.915,0.55) 2(-0.915,-0.55) 3(0.915,-0.55) 4(0.915,0.55)
LGA-16_3x3mm_P0.5mm
  rect 0.45x0.3 smd: 1(-1.275,0.75) 2(-1.275,0.25) 3(-1.275,-0.25) 4(-1.275,-0.75) 9(1.275,-0.75) 10(1.275,-0.25) 11(1.275,0.25) 12(1.275,0.75)
  rect 0.3x0.45 smd: 5(-0.75,-1.275) 6(-0.25,-1.275) 7(0.25,-1.275) 8(0.75,-1.275) 13(0.75,1.275) 14(0.25,1.275) 15(-0.25,1.275) 16(-0.75,1.275)
LQFP-32_7x7mm_P0.8mm
  rrect 1.5x0.5 smd: 1(-4.175,2.8) 2(-4.175,2) 3(-4.175,1.2) 4(-4.175,0.4) 5(-4.175,-0.4) 6(-4.175,-1.2) 7(-4.175,-2) 8(-4.175,-2.8) 17(4.175,-2.8) 18(4.175,-2) 19(4.175,-1.2) 20(4.175,-0.4) 21(4.175,0.4) 22(4.175,1.2) 23(4.175,2) 24(4.175,2.8)
  rrect 0.5x1.5 smd: 9(-2.8,-4.175) 10(-2,-4.175) 11(-1.2,-4.175) 12(-0.4,-4.175) 13(0.4,-4.175) 14(1.2,-4.175) 15(2,-4.175) 16(2.8,-4.175) 25(2.8,4.175) 26(2,4.175) 27(1.2,4.175) 28(0.4,4.175) 29(-0.4,4.175) 30(-1.2,4.175) 31(-2,4.175) 32(-2.8,4.175)
LQFP-48_7x7mm_P0.5mm
  rrect 1.475x0.3 smd: 1(-4.162,2.75) 2(-4.162,2.25) 3(-4.162,1.75) 4(-4.162,1.25) 5(-4.162,0.75) 6(-4.162,0.25) 7(-4.162,-0.25) 8(-4.162,-0.75) 9(-4.162,-1.25) 10(-4.162,-1.75) 11(-4.162,-2.25) 12(-4.162,-2.75) 25(4.162,-2.75) 26(4.162,-2.25) 27(4.162,-1.75) 28(4.162,-1.25) 29(4.162,-0.75) 30(4.162,-0.25) 31(4.162,0.25) 32(4.162,0.75) 33(4.162,1.25) 34(4.162,1.75) 35(4.162,2.25) 36(4.162,2.75)
  rrect 0.3x1.475 smd: 13(-2.75,-4.162) 14(-2.25,-4.162) 15(-1.75,-4.162) 16(-1.25,-4.162) 17(-0.75,-4.162) 18(-0.25,-4.162) 19(0.25,-4.162) 20(0.75,-4.162) 21(1.25,-4.162) 22(1.75,-4.162) 23(2.25,-4.162) 24(2.75,-4.162) 37(2.75,4.162) 38(2.25,4.162) 39(1.75,4.162) 40(1.25,4.162) 41(0.75,4.162) 42(0.25,4.162) 43(-0.25,4.162) 44(-0.75,4.162) 45(-1.25,4.162) 46(-1.75,4.162) 47(-2.25,4.162) 48(-2.75,4.162)
Molex_1050281001
  rect 0.84x0.5 smd: 1(-4.31,3.15) 2(-4.31,2.25) 3(-4.31,1.35) 4(-4.31,0.45) 5(-4.31,-0.45) 6(-4.31,-1.35) 7(-4.31,-2.25) 8(-4.31,-3.15) 17(4.31,-3.15) 18(4.31,-2.25) 19(4.31,-1.35) 20(4.31,-0.45) 21(4.31,0.45) 22(4.31,1.35) 23(4.31,2.25) 24(4.31,3.15)
  rect 0.5x0.84 smd: 9(-3.15,-4.31) 10(-2.25,-4.31) 11(-1.35,-4.31) 12(-0.45,-4.31) 13(0.45,-4.31) 14(1.35,-4.31) 15(2.25,-4.31) 16(3.15,-4.31) 25(3.15,4.31) 26(2.25,4.31) 27(1.35,4.31) 28(0.45,4.31) 29(-0.45,4.31) 30(-1.35,4.31) 31(-2.25,4.31) 32(-3.15,4.31)
  rect 0.65x1.1 smd: 33(-5.305,3.825) 33(-5.305,-3.825) 33(5.305,3.825) 33(5.305,-3.825)
  rect 0.65x0.65 smd: 33(-5.305,2.7) 33(-5.305,1.8) 33(-5.305,0.9) 33(-5.305,0) 33(-5.305,-0.9) 33(-5.305,-1.8) 33(-5.305,-2.7) 33(-2.7,5.305) 33(-2.7,-5.305) 33(-1.8,5.305) 33(-1.8,-5.305) 33(-0.9,5.305) 33(-0.9,-5.305) 33(0,5.305) 33(0,-5.305) 33(0.9,5.305) 33(0.9,-5.305) 33(1.8,5.305) 33(1.8,-5.305) 33(2.7,5.305) 33(2.7,-5.305) 33(5.305,2.7) 33(5.305,1.8) 33(5.305,0.9) 33(5.305,0) 33(5.305,-0.9) 33(5.305,-1.8) 33(5.305,-2.7)
  rect 1.1x0.65 smd: 33(-3.825,5.305) 33(-3.825,-5.305) 33(3.825,5.305) 33(3.825,-5.305)
MountingHole_2.7mm_M2.5
  round 2.7 hole 2.7 unplated: (0,0)
MountingHole_2.7mm_M2.5_ISO14580
  round 2.7 hole 2.7 unplated: (0,0)
MouseBites_Recessed
  round 0.38 hole 0.38 unplated: (-3.175,1.19) (-3.175,-1.19) (-2.54,1.19) (-2.54,-1.19) (-1.905,1.19) (-1.905,-1.19) (-1.27,1.19) (-1.27,-1.19) (-0.635,1.19) (-0.635,-1.19) (0,1.19) (0,-1.19) (0.635,1.19) (0.635,-1.19) (1.27,1.19) (1.27,-1.19) (1.905,1.19) (1.905,-1.19) (2.54,1.19) (2.54,-1.19) (3.175,1.19) (3.175,-1.19)
MSOP-8-1EP_3x3mm_P0.65mm_EP1.68x1.88mm_ThermalVias
  rrect 0.7x0.79 smd: (-0.42,0.47) (-0.42,-0.47) (0.42,0.47) (0.42,-0.47)
  rrect 1.45x0.4 smd: 1(-2.15,0.975) 2(-2.15,0.325) 3(-2.15,-0.325) 4(-2.15,-0.975) 5(2.15,-0.975) 6(2.15,-0.325) 7(2.15,0.325) 8(2.15,0.975)
  round 0.5 hole 0.3: 9(-0.55,0.65) 9(-0.55,-0.65) 9(0.55,0.65) 9(0.55,-0.65)
  rect 1.6x1.8 smd far side: 9(0,0)
  rect 1.68x1.88 smd: 9(0,0)
PinHeader_1x02_P2.00mm_Vertical
  rect 1.35x1.35 hole 0.8: 1(0,0)
  oval 1.35x1.35 hole 0.8: 2(0,-2)
PinHeader_1x04_P2.54mm_Vertical
  rect 1.7x1.7 hole 1: 1(0,0)
  oval 1.7x1.7 hole 1: 2(0,-2.54) 3(0,-5.08) 4(0,-7.62)
PinHeader_1x08_P2.00mm_Vertical
  rect 1.35x1.35 hole 0.8: 1(0,0)
  oval 1.35x1.35 hole 0.8: 2(0,-2) 3(0,-4) 4(0,-6) 5(0,-8) 6(0,-10) 7(0,-12) 8(0,-14)
PinSocket_1x08_P2.00mm_Vertical
  rect 1.35x1.35 hole 0.8: 1(0,0)
  oval 1.35x1.35 hole 0.8: 2(0,-2) 3(0,-4) 4(0,-6) 5(0,-8) 6(0,-10) 7(0,-12) 8(0,-14)
PQFN-8-EP_6x5mm_P1.27mm_Generic
  rect 0.6x0.9 smd: (-0.55,1.15) (-0.55,0) (-0.55,-1.15) (0.3,1.15) (0.3,0) (0.3,-1.15) (1.15,1.15) (1.15,0) (1.15,-1.15) (2,1.15) (2,0) (2,-1.15)
  rect 0.9x0.6 smd: (3,1.905) (3,0.635) (3,-0.635) (3,-1.905)
  rrect 1.15x0.7 smd: 1(-2.725,1.905) 2(-2.725,0.635) 3(-2.725,-0.635) 4(-2.725,-1.905)
  custom 4.6x4.7 smd: 5(0,0)
R_0603_1608Metric
  rrect 0.8x0.95 smd: 1(-0.825,0) 2(0.825,0)
R_1206_3216Metric
  rrect 1.125x1.75 smd: 1(-1.462,0) 2(1.462,0)
RJ45_Wuerth_7499111446_Horizontal
  round 3.25 hole 3.25 unplated: (0,-8.89) (11.43,-8.89)
  rect 1.5x1.5 hole 0.9: 1(0,0)
  round 1.5 hole 0.9: 2(1.27,-2.54) 3(2.54,0) 4(3.81,-2.54) 5(5.08,0) 6(6.35,-2.54) 7(7.62,0) 8(8.89,-2.54) 9(10.16,0) 10(11.43,-2.54)
  round 1.6 hole 1.02: 11(-0.915,-12.97) 12(1.625,-12.97) 13(9.805,-12.97) 14(12.345,-12.97)
  round 2.2 hole 1.6: SH(-2.03,-5.84) SH(13.46,-5.84)
RotaryEncoder_Alps_EC11J15-Switch
  round 1.6 hole 1.9x1.6 unplated: (-4.5,0)
  round 2.1 hole 2.1 unplated: (0,0)
  rect 2.4x1.3 smd: A(-7.3,2.5) B(-7.3,-2.5) C(-7.3,0) S1(7,-2.5) S2(7,2.5)
  rect 3.2x2.5 smd: MP(-7.9,5) MP(-7.9,-5) MP(7.9,5) MP(7.9,-5)
  rect 4x3.75 smd: MP(0,6.375) MP(0,-6.375)
RotaryEncoder_Bourns_PEC11S
  round 1.55 hole 2.2x1.55 unplated: (-4.5,0)
  round 2.05 hole 2.05 unplated: (0,0)
  rect 2.4x1.3 smd: A(-7.3,2.5) B(-7.3,-2.5) C(-7.3,0) S1(7,-2.5) S2(7,2.5)
  rect 3.2x2.5 smd: MP(-7.9,-5) MP(-7.9,5) MP(7.9,-5) MP(7.9,5)
  rect 4x3.75 smd: MP(0,-6.375) MP(0,6.375)
SolderJumper-2_P1.3mm_Open_TrianglePad1.0x1.5mm
  custom 1.5x1.5 smd: 1(-0.725,0)
  custom 1.15x1.5 smd: 2(0.725,0)
SOT-23
  rrect 1.475x0.6 smd: 1(-0.938,0.95) 2(-0.938,-0.95) 3(0.938,0)
SOT-23-5
  rrect 1.325x0.6 smd: 1(-1.137,0.95) 2(-1.137,0) 3(-1.137,-0.95) 4(1.137,-0.95) 5(1.137,0.95)
